# KiCad board X88C.kicad_pcb (continued)
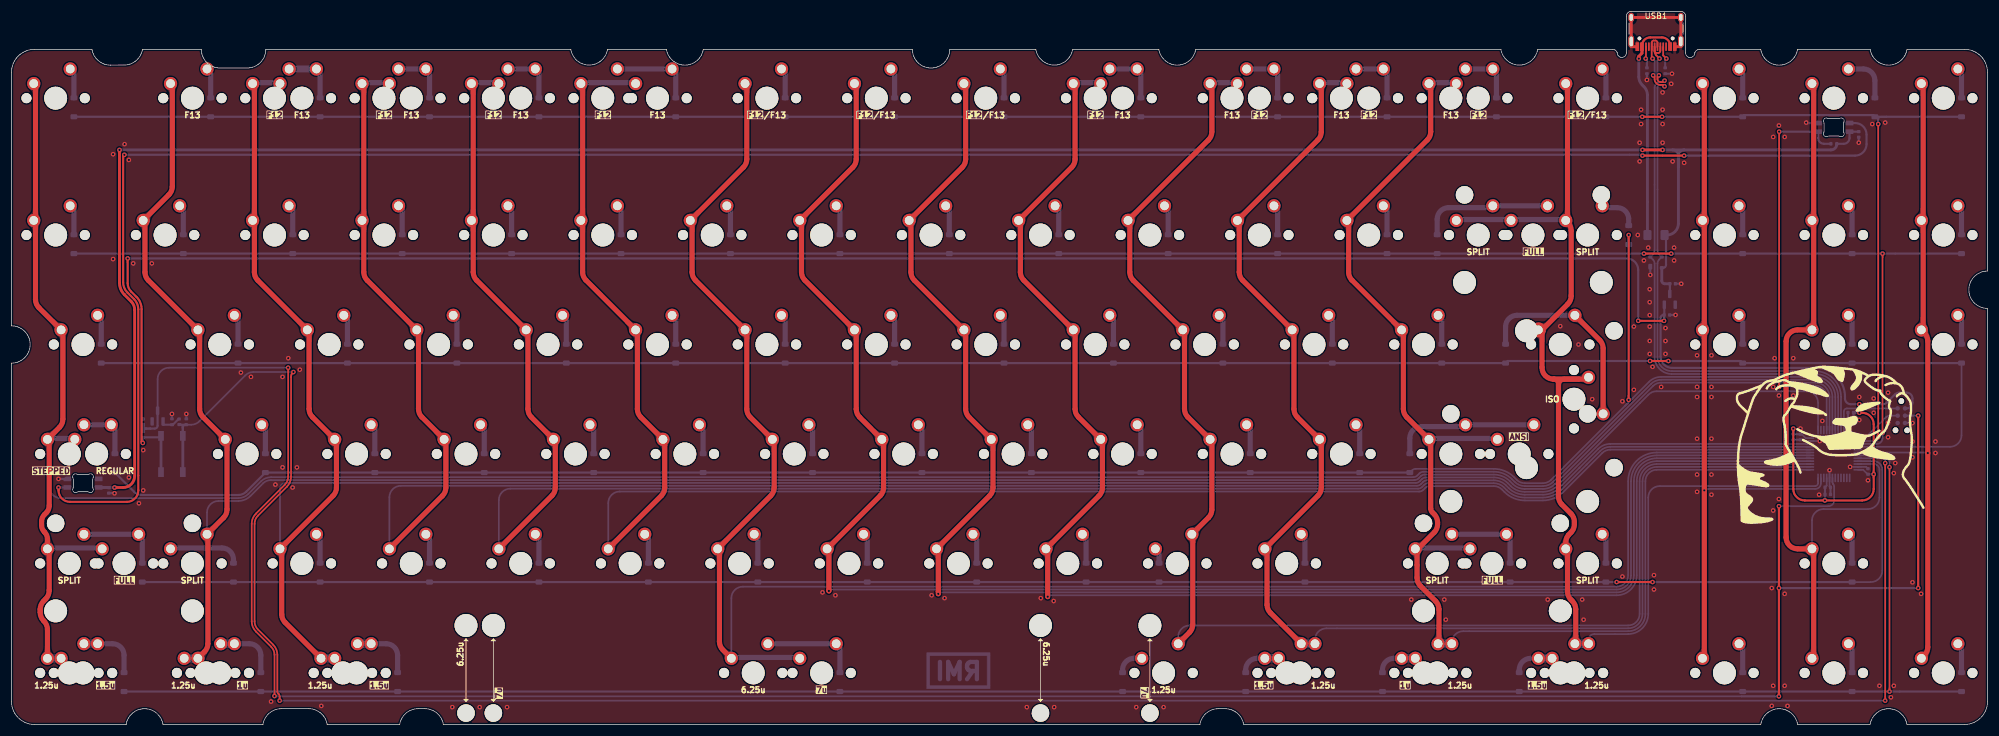
[diagram p0: board, top side]
## Routing (per net, layer and track width the routed paths; a pad name or vN(x,y) marks a point on that pad's centre or on a via; arc(x,y) is an arc through that point) (continued)
Net-(D42-A): length 5.3
  Bottom w0.9: D42.2 134.69,70.57 134.05,71.21
Net-(D43-A): length 5.3
  Bottom w0.9: D43.2 153.74,70.57 MX55.2
Net-(D44-A): length 5.3
  Bottom w0.9: MX56.2 172.79,70.57 D44.2
Net-(D45-A): length 5.3
  Bottom w0.9: D45.2 191.84,70.57 MX57.2
Net-(D46-A): length 5.3
  Bottom w0.9: D46.2 210.89,70.57 MX58.2
Net-(D47-A): length 5.3
  Bottom w0.9: D47.2 229.94,70.57 229.3,71.21
Net-(D48-A): length 5.3
  Bottom w0.9: D48.2 248.99,70.57 MX60.2
Net-(D49-A): length 35.3
  Top w0.9: MX65.2 277.09,65.46 arc(276.93,66.22) 276.5,66.87 MX61.2
  Bottom w0.9: D49.2 260.1,69.21 arc(260.69,70.62) 262.1,71.21 MX61.2
Net-(D50-A): length 5.3
  Bottom w0.9: D50.2 301.37,70.57 MX62.2
Net-(D51-A): length 5.3
  Bottom w0.9: MX63.2 320.42,70.57 D51.2
Net-(D52-A): length 5.3
  Bottom w0.9: D52.2 339.47,70.57 MX64.2
Net-(D53-A): length 10
  Bottom w0.9: D53.2 18.01,51.52 MX80.2 MX66.2
Net-(D54-A): length 5.3
  Bottom w0.9: MX67.2 44.2,51.52 D54.2
Net-(D55-A): length 5.3
  Bottom w0.9: D55.2 63.25,51.52 MX68.2
Net-(D56-A): length 5.3
  Bottom w0.9: MX69.2 82.3,51.52 D56.2
Net-(D57-A): length 5.3
  Bottom w0.9: MX70.2 101.35,51.52 D57.2
Net-(D58-A): length 5.3
  Bottom w0.9: D58.2 120.4,51.52 MX71.2
Net-(D59-A): length 5.3
  Bottom w0.9: D59.2 139.45,51.52 MX72.2
Net-(D60-A): length 5.3
  Bottom w0.9: D60.2 158.5,51.52 MX73.2
Net-(D61-A): length 5.3
  Bottom w0.9: D61.2 177.55,51.52 MX74.2
Net-(D62-A): length 5.3
  Bottom w0.9: MX75.2 196.6,51.52 D62.2
Net-(D63-A): length 5.3
  Bottom w0.9: D63.2 215.65,51.52 MX76.2
Net-(D64-A): length 5.3
  Bottom w0.9: D64.2 234.7,51.52 MX77.2
Net-(D65-A): length 25.6
  Bottom w0.9: D65.2 243.43,49.84 arc(244.02,51.25) 245.43,51.84 252.8,51.84 MX81.2 MX78.2
Net-(D66-A): length 6.9
  Bottom w0.9: D66.2 281.53,86.83 281.53,88.07 arc(280.9,89.4) 279.53,89.94 276.93,89.94
Net-(D67-A): length 14.8
  Bottom w0.9: MX95.2 MX82.2 22.77,32.47 D67.2
Net-(D68-A): length 12.8
  Bottom w0.9: MX96.1 27.84,30.72 36.64,30.72 arc(38.06,30.13) 38.64,28.72 D68.2
Net-(D69-A): length 5.3
  Bottom w0.9: D69.2 53.72,32.47 MX83.2
Net-(D70-A): length 5.3
  Bottom w0.9: D70.2 72.77,32.47 MX84.2
Net-(D71-A): length 5.3
  Bottom w0.9: D71.2 91.82,32.47 MX85.2
Net-(D72-A): length 5.3
  Bottom w0.9: MX86.2 110.87,32.47 D72.2
Net-(D73-A): length 5.3
  Bottom w0.9: D73.2 129.92,32.47 MX87.2
Net-(D74-A): length 5.3
  Bottom w0.9: D74.2 148.97,32.47 MX88.2
Net-(D75-A): length 5.3
  Bottom w0.9: D75.2 168.02,32.47 MX89.2
Net-(D76-A): length 5.3
  Bottom w0.9: MX90.2 187.07,32.47 D76.2
Net-(D77-A): length 2.7
  Bottom w0.9: D77.2 199.77,29.93 MX91.1
Net-(D78-A): length 5.3
  Bottom w0.9: D78.2 225.17,32.47 MX92.2
Net-(D79-A): length 14.8
  Bottom w0.9: MX97.2 MX93.2 260.89,32.47 D79.2
Net-(D80-A): length 5.3
  Bottom w0.9: D80.2 277.56,32.47 MX98.2
Net-(D81-A): length 5.3
  Bottom w0.9: D81.2 320.42,32.47 MX94.2
Net-(D82-A): length 11.1
  Bottom w0.9: MX99.2 17.59,14.06 arc(19.01,13.47) 19.59,12.06 D82.2
  Bottom w1.524: MX109.2 MX99.2
Net-(D83-A): length 11.1
  Bottom w0.9: MX100.2 41.41,14.06 arc(42.82,13.47) 43.41,12.06 D83.2
  Bottom w1.524: MX110.2 MX100.2
Net-(D84-A): length 11.1
  Bottom w0.9: MX101.2 65.22,14.06 arc(66.63,13.47) 67.22,12.06 D84.2
  Bottom w1.524: MX111.2 MX101.2
Net-(D85-A): length 17.2
  Bottom w0.9: D85.2 144.21,13.42 MX102.2 MX112.2
Net-(D86-A): length 5
  Bottom w0.9: MX113.1 195.42,11.52 arc(194.01,10.93) 193.42,9.52 D86.2
Net-(D87-A): length 7.3
  Bottom w0.9: MX103.1 216.86,11.52 arc(215.44,10.93) 214.86,9.52 D87.2
  Bottom w1.524: 220.43,11.66 220.29,11.52 MX103.1
Net-(D88-A): length 7.3
  Bottom w0.9: MX104.1 240.67,11.52 arc(239.25,10.93) 238.67,9.52 D88.2
  Bottom w1.524: 244.24,11.66 244.1,11.52 MX104.1
Net-(D89-A): length 7.3
  Bottom w0.9: MX105.1 264.48,11.52 arc(263.07,10.93) 262.48,9.52 D89.2
  Bottom w1.524: 268.05,11.66 267.91,11.52 MX105.1
Net-(D90-A): length 5.3
  Bottom w0.9: D90.2 301.37,13.42 MX106.2
Net-(D91-A): length 5.3
  Bottom w0.9: D91.2 320.42,13.42 MX107.2
Net-(D92-A): length 5.3
  Bottom w0.9: MX108.2 339.47,13.42 D92.2
Net-(QR1-G): length 3.8
  Bottom w0.375: QR1.1 26.39,52.17 RR3.1 28.1,52.17 29.09,53.16 CR1.1
Net-(RGB1-DOUT): length 388
  Top w0.375: v1(8.19,41.24) 8.19,40.74 arc(8.77,39.32) 10.19,38.74 20.07,38.74 arc(21.49,39.32) 22.07,40.74 22.07,72.24 arc(21.88,73.2) 21.34,74.01 20.17,75.18 arc(19.63,75.99) 19.44,76.95 19.44,99.14 v1(19.65,99.14) ; v1(283.94,98.99) v1(291.19,98.99)
  Bottom w0.375: v1(8.19,41.24) 8.19,41.25 RGB2.3 ; v1(19.65,99.14) 283.79,99.14 v1(283.94,98.99) ; v1(291.19,98.99) 320.94,98.99 arc(322.35,99.57) 322.94,100.99 322.94,102.66 arc(322.35,104.07) 320.94,104.66 RGB1.2

## Copper pours and planes (outline as drawn; the poured copper is in the pictures)
GND on Top, Bottom: -2.63,-1.34 346.62,-1.34 346.62,124.86 -2.63,124.86

Small or netless copper shapes (teardrops, artwork), in the pictures only: 212 on Top, 505 on Bottom

## Text on the board
B.Silkscreen: PRESS AND HOLD / FOR BOOTLOADER | ver. ${CURRENT_DATE} | RESET/BOOT | X88C
F.Silkscreen: 1.25u | STEPPED | SPLIT | 1.5u | REGULAR | FULL | F13 | 1u | F12 | 6.25u | / | 7u | ANSI | ISO
